# Altium PCB Copy of [PCB]_MotherBoard.PcbDoc (continued)
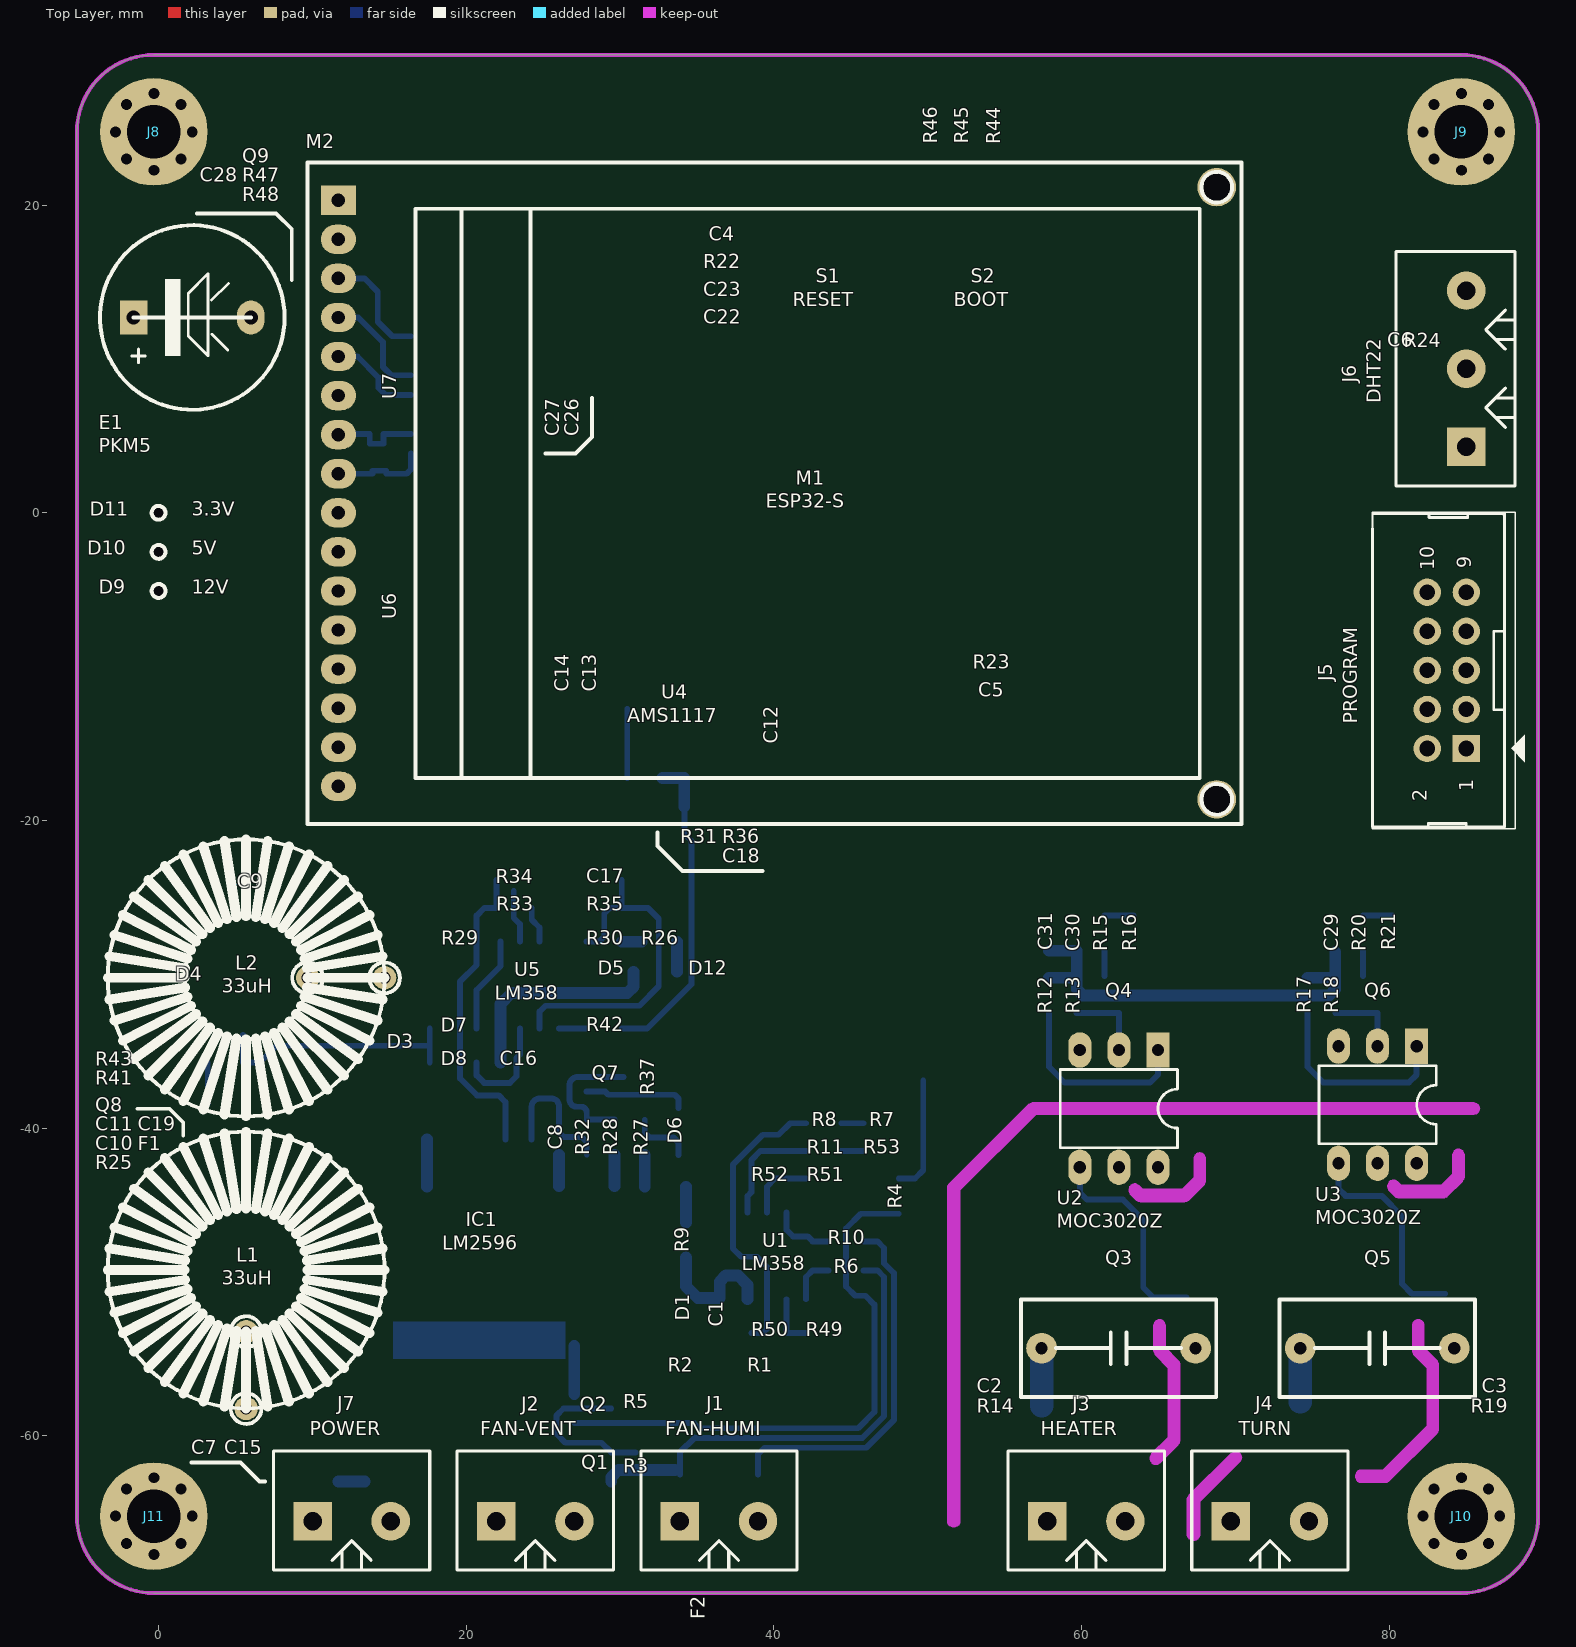
[diagram p0: Top Layer view]
## Footprints (in the part's own frame and the unit in brackets; to place one, negate y for a bottom-side part, rotate by r counter-clockwise, add the part's x,y. Pads: shape width x height; smd on the part's side, far side on the other; paste and mask are expansions set on the pad) (continued)
LCD_176X220_MODULE [mm]
  rect 1.905x2.286 hole 0.864: 1(-0.55,-5)
  round 2.5 hole 2: 2(-1.4,52.1) 2(38.4,52.1)
  oval 1.905x2.286 hole 0.864: 2(1.99,-5) 3(4.53,-5) 4(7.07,-5) 5(9.61,-5) 6(12.15,-5) 7(14.69,-5) 8(17.23,-5) 9(19.77,-5) 10(22.31,-5) 11(24.85,-5) 12(27.39,-5) 13(29.93,-5) 14(32.47,-5) 15(35.01,-5) 16(37.55,-5)
  silkscreen extent -3,-7 40,53.7
LED0603-IPC [mm]
  rect 1.1x1 smd: A(0.85,0) K(-0.85,0)
  silkscreen extent -1.68,-0.7 0.25,0.7, body extent -0.8,-0.4 0.8,0.4, height 1.1
MY_PAD_3MM [mil]
  round 50 hole 28: 0(-98.43,0) 0(-69.6,-69.6) 0(-69.6,69.6) 0(0,-98.43) 0(0,98.43) 0(69.6,-69.6) 0(69.6,69.6) 0(98.43,0)
  round 275.59 hole 137.8: 0(0,0)
RES-SMD-0805 [mil]
  rect 39.37x55 smd mask+1.97: 1(-45,0) 2(45,0)
  silkscreen extent -67,-30 67,30, body extent -45,-27 45,27, height 30
RES-SMD-2512 [mm] "Chip Capacitor, Body 3.2x2.5mm, IPC Medium Density"
  rect 1.8x3.3 smd: 1(-3.2,0) 2(3.2,0)
  silkscreen extent -4.28,-1.83 4.28,1.83, body extent -3.2,-1.6 3.2,1.6, height 0.6
SOIC-8S [mm] "SOIC, 8-Leads, Body 4.9x3.9mm, Pitch 1.27mm, IPC High Density"
  oval 1.8x0.6 smd: 1(-2.825,1.905) 2(-2.825,0.635) 3(-2.825,-0.635) 4(-2.825,-1.905) 5(2.825,-1.905) 6(2.825,-0.635) 7(2.825,0.635) 8(2.825,1.905)
  silkscreen extent -2.95,-2.55 1.68,2.98, body extent -2.99,-2.45 3,2.45, height 1.6
SOIC-16S [mm] "SOIC, 16-Leads, Body 9.90x3.91mm, Pitch 1.27mm, IPC Medium Density"
  oval 2x0.55 smd: 1(-2.7,4.445) 2(-2.7,3.175) 3(-2.7,1.905) 4(-2.7,0.635) 5(-2.7,-0.635) 6(-2.7,-1.905) 7(-2.7,-3.175) 8(-2.7,-4.445) 9(2.7,-4.445) 10(2.7,-3.175) 11(2.7,-1.905) 12(2.7,-0.635) 13(2.7,0.635) 14(2.7,1.905) 15(2.7,3.175) 16(2.7,4.445)
  silkscreen extent -2.82,-4.95 1.55,5.39, body extent -3,-4.95 3,4.95, height 1.4
SOT23(123) [mm]
  rect 0.9x0.95 smd: 1(-0.95,-1.2) 2(0,1.2) 3(0.95,-1.2)
  silkscreen extent -1.3,-0.38 1.3,1.25, body extent -1.52,-1.23 1.48,1.27, height 1.06
SOT223(1234) [mm]
  rect 1x2.4 smd: 1(-2.3,-3) 2(0,-3) 3(2.3,-3)
  rect 3.3x2.4 smd: 4(0,3)
  silkscreen extent -3.47,-3.03 3.35,1.4, body extent -3.25,-3.56 3.25,3.4, height 1.68
TL3342F260QG [mm] "SWITCH TACTILE SPST-NO 0.05A 12V"
  rect 1.7x1 smd: 1(-3.15,-1.9) 1(3.15,-1.9) 2(-3.15,1.9) 2(3.15,1.9)
  body extent -3.3,-2.5 3.3,2.5, height 1.52
TO252AA [mm]
  rrect50% 1.6x3 smd: 1(-2.286,-4.064) 3(2.286,-4.064)
  rrect50% 5.8x6.2 smd: 2(0,3.175)
  silkscreen extent -3.3,-4.45 3.3,5.08, body extent -3.3,-4.82 3.28,5.32, height 2.3
TO263 [mm]
  rect 0.9x3.58 smd: 1(-3.4,-8.42) 2(-1.7,-8.42) 3(0,-8.42) 4(1.7,-8.42) 5(3.4,-8.42)
  rect 8.5x7 smd: 3(0,0)
  Top Layer region: -5.6,5.842 5.6,5.842 5.6,3.454 -5.6,3.454
  silkscreen extent -5.8,-10.44 5.8,6.07, body extent -5.08,-9.42 5.08,5.22, height 4.57

## Part data
C1 C4 C5 C6 C7 C8 C13 C14 C15 C16 C17 C18 C19 C22 C23 C26 C27 C28 C29 C30 C31: library part Cap-Non-SMD, "Non-polar capacitor"
C2 C3: library part Cap-Non-DIP, "Non-polar capacitor", Price=0.005
C9 C10 C11 C12: library part Cap-Pol-SMD, "Non-polar capacitor"
D1 D5 D6: library part ZENER, "DIODE-ZNR 5.1V 5% PD=1W IR=10uA", Manufacturer="Littlefuse Inc.", Part Number=SMF22A, Supplier Part Number 1=F5822CT-ND, Manufacturer’s ordering code=SMF22A, Supplier 1=Digi-Key, Supplier 2=Mouser, Supplier 3=LCSC, Supplier Part Number 2=576-SMF22A, Supplier Part Number 3=C169431
D3 D7 D8 D12: "1.0A RECTIFIER", ComponentLink1Description=Datasheet, ComponentLink1URL="E:\NEW_DATA\ELECTRONIC_DOCUMENT\DATASHEET\1N4001 (2).pdf", Price=0.006
D4: "DIODE SCHOTTKY 10V 3A SOD323-2", Supplier Part Number 1=BAT60BE6327HTSA1CT-ND, Price=0.008, Supplier 1=Digi-Key
D9: library part "LED 0603 Red", "LED RED CLEAR 0603 SMD", Supplier Part Number 1=732-4979-1-ND, Supplier 1=Digi-Key
D10: library part "LED 0603 Yellow", "LED YELLOW CLEAR 0603 SMD", Supplier Part Number 1=732-4981-1-ND, Supplier 1=Digi-Key
D11: library part "LED 0603 Green", "LED GREEN CLEAR 0603 SMD", Supplier Part Number 1=732-4971-1-ND, Supplier 1=Digi-Key
E1: library part BUZZER, "ALARM-AUDIBLE PIEZO ALARM PIN TYPE; 5V"
F1 F2: library part "Fuse SMD"
IC1: "Power IC", Max Input Voltage="12 V", Max Output Current="3 (6.0 peak) A", Max Output Voltage=mV, Temperature Range="-40 to +125 degC", Category=IC-Power, Min Input Voltage=mV, Min Output Voltage=mV, Mounting Technology="Surface Mount", Status=Unreleased, Supply Voltage=mV
J1 J2 J3 J4: library part JP2
J5: library part IDE_5X2, "Male Box Header WR-BHD, THT, Vertical, pitch 2.54 mm, 10 pins"
J6: library part JP3
J7: library part JP2_IN
J8 J9 J10 J11: library part JP1_IN, "3MM PAD"
L1 L2: library part INDUCTOR_FE, "2.2µH Shielded Wirewound Inductor 8.2A 10mOhm Max Nonstandard, 4 Lead", Supplier Part Number 1=811-3603-1-ND, Supplier 1=Digi-Key, Supplier 2=Mouser, Supplier Part Number 2=580-482R2SC
M1: "Tensilica Xtensa LX6 microprocessor @ 160 or 240 MHz · 320 KiB SRAM", Max CPU Freq="240 MHz", Nominal Supply Current="500 mA", Supply Voltage="2.7 ~ 3.6 V", Temperature Range="-40 to +85 degC", Bandwidth="72 MHz", ComponentLink1Description=PCB, ComponentLink1URL=https://evertdekker.com/wp/?p=854, CPU Name=ESP32-D0WDQ6, Data Rate="150 Mbps", Height="3.2 mm", Interface="Ethernet, I2C, I2S, SPI, UART", Number of ADC Channels=16, Number of cores=2, Number of GPIO=32
M2: library part LCD_176x220, ComponentLink1Description=Wiki, ComponentLink1URL=http://www.lcdwiki.com/2.8inch_SPI_Module_ILI9341_SKU:MSP2807
Q1: library part IRFR3910TRLPBF, "N-Channel 16A (Tc) 79W (Tc) Surface Mount D-Pak", Supplier Part Number 1=IRFR3910TRLPBFCT-ND, Price=0.15, Supplier 1=Digi-Key, Supplier 2=Mouser, Supplier 3=LCSC, Supplier Part Number 2=942-IRFR3910TRLPBF, Supplier Part Number 3=C148158
Q2: "Transistor, NPN, RF, 50mA, 12V", Supplier Part Number 1=568-11514-1-ND, Supplier 1=Digi-Key
Q3 Q5 Q8: library part SCR, "THYRISTOR-TRIAC TO-220AB VRRM=600"
Q4 Q6 Q7 Q9: library part NPN, "Transistor, NPN, RF, 50mA, 12V", Supplier Part Number 1=568-11514-1-ND, Supplier 1=Digi-Key
R1 R2 R3 R4 R5 R6 R7 R8 R9 R10 R11 R12 R13 R15 R16 R17 R18 R20 R21 R22 R23 R24 R25 R26 R27 R28 R29 R30 R31 R32 R33 R34 R35 R36 R37 R38 R39 R40 R41 R42 R43 R44 R45 R46 R47 R48 R49 R50 R51 R52 R53: library part RES, "Chip Resistor, 0805, 1%, 1/8 W", Supplier Part Number 1=311-1.00KLRCT-ND, PackageDescription="Chip Resistor", PackageReference=J1-0805, Price=0.005
R14 R19: "Chip Resistor, 0805, 1%, 1/8 W", Supplier Part Number 1=311-1.00KLRCT-ND, PackageDescription="Chip Resistor", PackageReference=J1-0805, Price=0.005
S1 S2: library part "SWITCH TACTILE SPST", "SWITCH TACTILE SPST-NO 0.05A 12V", Manufacturer Part Number=TL3342F260QG, Supplier Part Number 1=EG5470CT-ND, Price=0.25, Supplier 1=Digi-Key
U1 U5: "7mV 250nA 7uV/C 1MHz 0.6V/uS 0.8mA 3-32V", Price=0.24
U2 U3: "OPTO-ISOLATOR LED-PTRIAC IF=50mA-max"
U4: "1A Bipolar Linear Regulator", ComponentLink1Description=Datasheet, ComponentLink1URL=E:\NEW_DATA\ELECTRONIC_DOCUMENT\DATASHEET\AMS1117-1-2_C475600.pdf
U6 U7: "CD74HC595 8-Bit Shift Registers With 3-State Output Registers"

## Nets (pads, with @x,y where several pads share a name; then routed paths per layer and width w, separated by ;. In a path a pad name is that pad's centre, name@x,y a point inside that pad or via, vN(x,y) a via of type N, cw(c..) or ccw(c..) an arc to the next point about the centre after c; other vN are vias at no path point)
+3.3V: C13.2 C14.2 C22.2 C23.2 C26.2 C27.2 J5.2 J6.1 M1.2 M2.2 R22.2 R23.2 R24.2 R31.2 R40.2 U4.2 U4.4 U6.10 U6.16 U7.10 U7.16 | length 4.5
  Bottom Layer w0.381: R31.2 U4.4
+5V: C28.2 C29.2 C30.2 C31.2 E1.A R12.2 R13.1 R17.2 R18.1 | length 27.5
  Bottom Layer w0.762: R12.2 R13.1 ; C31.2 C30.2 R13.1 ; R17.2 R18.1 ; C29.2@76.499,-28.556 R18.1 ; R13.1 59.683,-30.982 60.079,-31.377 76.103,-31.377 76.499,-30.982 R18.1
+5V_USB: C9.1 C12.1 L2.2 R29.2 R39.2 U4.3
+6V: C16.2 D5.2 R26.1 R30.2 U5.8 | length 15.2
  Bottom Layer w0.762: C16.2 U5.8 22.223,-31.936 22.943,-31.216 30.461,-31.216 30.878,-30.799 D5.2 ; R30.2 R26.1
+12V: C8.2 C19.2 D3.2 D12.1 D12.2 F1.2 IC1.1 J1.1 J2.1 Q8.2 R3.2 R9.2 R26.2 R27.2 R28.2 R38.2 | length 13.5
  Bottom Layer w0.762: 17.453,-43.811 IC1.1 ; 26.033,-43.789 C8.2 ; 29.633,-43.789 R28.2 ; 31.608,-43.807 R27.2 ; D12.2 R26.2 ; R9.2 34.282,-43.807
BUZZER: M1.26 R47.1 R48.1
DTH22: C6.2 J6.2 R24.1
ESP32_EN: C4.2 J5.1 M1.3 R22.1 S1.2
ESP32_IO0: C5.2 J5.6 M1.25 R23.1 S2.2
ESP32_RX0: J5.5 M1.34
ESP32_TX0: J5.3 M1.35
FANH: M1.16 R4.2 | length 7.7
  Bottom Layer w0.381: R4.2 49.182,-43.28 49.715,-42.747 49.715,-36.905
FANH-: J2.2 Q1.2
FANH_FAIL: M1.4 R7.1 R8.2 | length 1.5
  Bottom Layer w0.381: R8.2 R7.1
FANV-: J1.2 R1.2 R10.1 | length 24
  Bottom Layer w0.381: R1.2 38.97,-61.205 39.394,-60.781 46.006,-60.781 47.801,-58.986 47.801,-49.418 47.166,-48.783 47.166,-47.798 46.732,-47.363 R10.1
FANV_FAIL: M1.5 R11.2 R53.1 | length 1.5
  Bottom Layer w0.381: R11.2 R53.1
GND: C1.1 C4.1 C5.1 C6.1 C9.2 C10.2 C11.2 C12.2 C13.1 C14.1 C15.1 C16.1 C17.1 C18.1 C19.1 C22.1 C23.1 C26.1 C27.1 C28.1 C29.1 C30.1 C31.1 D1.1 D4.1 D5.1 D9.K D10.K D11.K F2.1 F2.2 IC1.3 J5.4 J6.3 J7.2 J8.0 J9.0 J10.0 J11.0 M1.1 M1.15 M1.38 M2.1 Q2.3 Q4.3 Q6.3 Q7.3 Q8.1 Q9.3 R1.1 R2.1 R5.2 R7.2 R16.2 R21.2 R25.1 R34.1 R35.1 R36.1 R37.1 R43.1 R44.2 R45.2 R46.2 R48.2 R49.1 R51.1 R53.2 S1.1 S2.1 U1.4 U4.1 U5.4 U6.8 U7.8 | length 3.1
  Bottom Layer w0.762: Q2.3 27.031,-54.171
HEATER: M1.24 R15.1 R16.1 | length 1.9
  Bottom Layer w0.381: R15.1 R16.1
KEY_DRV_0: M1.13
KEY_DRV_1: M1.23
KEY_SEN_0: M1.10 R44.1
KEY_SEN_1: M1.11 R45.1
KEY_SEN_2: M1.12 R46.1
LCD_CS: M2.3 U7.7 | length 7.4
  Bottom Layer w0.381: M2.3 13.386,15.24 14.249,14.376 14.249,12.421 15.19,11.48 U7.7
LCD_DB0: M2.9 U6.15
LCD_DB1: M2.10 U6.1
LCD_DB2: M2.11 U6.2
LCD_DB3: M2.12 U6.3
LCD_DB4: M2.13 U6.4
LCD_DB5: M2.14 U6.5
LCD_DB6: M2.15 U6.6
LCD_DB7: M2.16 U6.7
LCD_LED: M2.8 U7.1 | length 6.3
  Bottom Layer w0.381: M2.8 12.135,2.54 13.024,2.54 13.913,2.54 13.913,2.73 14.802,2.73 14.802,2.54 15.215,2.54 16.129,2.54 16.4,2.811 U7.1
LCD_OE: M1.33 U6.13 U7.13
LCD_RCLK: M1.37 U6.12 U7.12
LCD_RD: M2.6 U7.3
LCD_RS: M2.4 U7.5 | length 7.2
  Bottom Layer w0.381: M2.4 12.979,12.7 14.58,11.1 14.58,9.5 15.139,8.94 U7.5
LCD_RST: M2.7 U7.2 | length 6
  Bottom Layer w0.381: M2.7 11.74,5.13 12.395,5.13 12.84,5.13 13.729,5.13 13.729,4.486 14.618,4.486 14.618,5.13 16.154,5.13 U7.2
LCD_SER: M1.31 U6.14
LCD_SRCLK: M1.36 U6.11 U7.11
LCD_WR: M2.5 U7.4 | length 6.1
  Bottom Layer w0.381: M2.5 12.929,10.16 14.3,8.788 14.3,8.128 14.758,7.67 U7.4
NetC2_1: C2.1 J3.2 Q3.1
NetC2_2: C2.2 R14.1 | length 3.8
  Bottom Layer w1.524: R14.1 C2.2
NetC3_1: C3.1 J4.2 Q5.1
NetC3_2: C3.2 R19.1 | length 3.8
  Bottom Layer w1.524: R19.1@74.221,-57.807 C3.2@74.221,-54.057
NetC7_1: C7.1 C15.2 | length 1.7
  Bottom Layer w0.762: C7.1 C15.2
NetC7_2: C7.2 J7.1 L1.1
NetC8_1: C8.1 IC1.5 R32.1 | length 9.1
  Bottom Layer w0.381: IC1.5 24.253,-38.603 cw(c24.782,-38.603) 24.782,-38.074 25.532,-38.074 cw(c25.532,-38.575) 26.033,-38.575 C8.1 26.033,-40.275 26.341,-40.583 27.51,-40.583 27.833,-40.907 R32.1
NetC10_1: C10.1 C11.1 F1.1 L1.2 R25.2
NetC17_2: C17.2 R30.1 R35.2 U5.2 U5.6 | length 26
  Bottom Layer w0.381: 23.087,-24.586 23.087,-26.335 23.493,-26.74 U5.2 ; U5.6 24.763,-32.431 25.153,-32.041 31.262,-32.041 32.519,-30.785 32.519,-26.39 31.809,-25.68 R35.2 ; R30.1 28.641,-27.88 28.973,-27.548 28.973,-26.049 29.342,-25.68 R35.2 ; C17.2 R35.2
NetC18_2: C18.2 R31.1 R36.2 R42.1 | length 20.8
  Bottom Layer w0.381: R42.1 31.762,-33.53 34.643,-30.649 34.643,-21.34 34.181,-20.878 C18.2
  Bottom Layer w0.762: R31.1 R36.2 C18.2
NetD3_1: D3.1 D4.2 IC1.2 L2.1
NetD6_1: D6.1 Q7.1 R37.2 | length 6.8
  Bottom Layer w0.381: Q7.1 29.039,-37.63 29.243,-37.834 R37.2 33.549,-37.834 33.808,-38.093 D6.1
NetD6_2: D6.2 R27.1 | length 4.1
  Bottom Layer w0.381: R27.1 31.608,-40.293 31.916,-40.601 33.458,-40.601 33.808,-40.951 D6.2
NetD7_1: D7.1 U5.1 | length 6.3
  Bottom Layer w0.381: D7.1 20.677,-31.018 22.223,-29.472 U5.1
NetD7_2: D7.2 D8.2 R41.1 R43.2 | length 16.6
  Bottom Layer w0.381: R43.2 R41.1 6.58,-35.73 7.665,-34.645 17.629,-34.645 ; D8.2 17.629,-34.645 ; D7.2 17.629,-34.645
NetD8_1: D8.1 U5.7 | length 7
  Bottom Layer w0.381: D8.1 20.677,-36.57 21.165,-37.058 22.841,-37.058 23.273,-36.626 23.273,-35.432 23.493,-35.212 U5.7
NetD9_A: D9.A R38.1
NetD10_A: D10.A R39.1
NetD11_A: D11.A R40.1
NetE1_K: E1.K Q9.2
NetIC1_4: IC1.4 R29.1 R33.2 R34.2 | length 20.3
  Bottom Layer w0.381: R33.2@21.973,-25.679 21.184,-25.679 20.677,-26.186 R29.1 20.677,-29.392 19.607,-30.462 19.607,-36.77 20.708,-37.871 22.11,-37.871 22.553,-38.314 IC1.4 ; R33.2 R34.2
NetJ3_1: J3.1 Q3.2 R14.2 U2.6
NetJ4_1: J4.1 Q5.2 R19.2 U3.6
NetQ1_1: Q1.1 Q2.2 R3.1 | length 10.6
  Bottom Layer w0.381: Q2.2 26.324,-58.23 25.881,-58.673 25.881,-59.887 26.445,-60.451 28.802,-60.451 Q1.1 R3.1
NetQ1_3: Q1.3 R2.2 R6.1 | length 30.9
  Bottom Layer w0.381: R2.2 33.89,-61.08 34.848,-60.122 34.872,-60.146 45.743,-60.146 47.166,-58.723 47.166,-49.681 46.732,-49.247 R6.1
  Bottom Layer w0.762: Q1.3 29.431,-62.693 29.9,-62.223 R2.2@33.552,-62.223
NetQ2_1: Q2.1 R4.1 R5.1 | length 37
  Bottom Layer w0.381: Q2.1 R5.1 34.804,-59.18 35.135,-59.511 45.48,-59.511 46.531,-58.46 46.531,-51.477 45.955,-50.901 45.295,-50.901 44.692,-50.298 44.692,-46.528 45.654,-45.566 R4.1
NetQ3_3: Q3.3 U2.4 | length 14
  Bottom Layer w0.381: U2.4 59.893,-44.189 60.357,-44.652 62.7,-44.652 64.015,-45.967 64.015,-50.367 64.663,-51.016 Q3.3
NetQ4_1: Q4.1 R15.2 | length 1.7
  Bottom Layer w0.381: Q4.1 R15.2
NetQ4_2: Q4.2 R13.2 U2.2 | length 5.1
  Bottom Layer w0.381: R13.2 Q4.2 U2.2
NetQ5_3: Q5.3 U3.4 | length 14
  Bottom Layer w0.381: U3.4 76.709,-43.939 77.172,-44.402 79.515,-44.402 80.83,-45.717 80.83,-50.117 81.479,-50.766 Q5.3@83.644,-50.766
NetQ6_1: Q6.1 R20.2 | length 1.7
  Bottom Layer w0.381: Q6.1 R20.2
NetQ6_2: Q6.2 R18.2 U3.2 | length 4.9
  Bottom Layer w0.381: R18.2 Q6.2 U3.2
NetQ7_2: Q7.2 R28.1 R32.2 | length 8.6
  Bottom Layer w0.381: R28.1 R32.2 27.833,-38.977 ccw(c27.464,-38.977) 27.464,-38.607 27.176,-38.607 cw(c27.176,-38.145) 26.713,-38.145 26.713,-37.21 cw(c27.243,-37.21) 27.243,-36.68 Q7.2
NetQ8_3: Q8.3 R41.2 | length 2.7
  Bottom Layer w0.381: Q8.3 R41.2
NetQ9_1: Q9.1 R47.2
NetR6_2: R6.2 U1.5 | length 3.1
  Bottom Layer w0.381: U1.5 42.092,-49.676 42.521,-49.247 R6.2
NetR8_1: R8.1 R50.2 U1.7 | length 19.2
  Bottom Layer w0.381: R50.2 39.276,-53.33 39.552,-53.054 U1.7 39.552,-49.026 38.886,-48.361 37.875,-48.361 37.337,-47.822 37.337,-42.383 39.283,-40.436 40.308,-40.436 41.064,-39.68 R8.1
NetR10_2: R10.2 U1.3 | length 4.2
  Bottom Layer w0.381: U1.3 40.822,-46.613 41.248,-47.04 42.198,-47.04 42.521,-47.363 R10.2
NetR11_1: R11.1 R52.2 U1.1 | length 7.3
  Bottom Layer w0.381: U1.1 38.282,-44.424 38.536,-44.17 R52.2 38.536,-42.081 39.137,-41.48 R11.1
NetR12_1: R12.1 U2.1 | length 12.8
  Bottom Layer w0.381: R12.1 57.883,-36.014 58.901,-37.032 64.464,-37.032 64.973,-36.523 U2.1
NetR17_1: R17.1 U3.1 | length 12.8
  Bottom Layer w0.381: R17.1 74.699,-36.014 75.717,-37.032 81.279,-37.032 81.789,-36.523 U3.1@81.789,-34.92
NetR33_1: R33.1 U5.3 | length 2.4
  Bottom Layer w0.381: R33.1 24.26,-26.462 24.763,-26.965 U5.3
NetR42_2: R42.2 U5.5 | length 1.8
  Bottom Layer w0.381: U5.5 R42.2
NetR49_2: R49.2 R50.1 U1.6 | length 3.5
  Bottom Layer w0.381: U1.6 R50.1 R49.2
NetR51_2: R51.2 R52.1 U1.2 | length 4.4
  Bottom Layer w0.381: U1.2 39.552,-43.809 40.08,-43.28 R52.1 R51.2
NetU6_9: U6.9 U7.14
TURN: R20.1 R21.1 | length 1.9
  Bottom Layer w0.381: R20.1 R21.1
V2+: C1.2 D1.2 R9.1 U1.8 | length 8.6
  Bottom Layer w0.762: R9.1 D1.2 35.044,-51.044 C1.2 36.482,-49.98 36.882,-49.58 37.667,-49.58 38.282,-50.195 U1.8
pads on no net: J5.7 J5.8 J5.9 J5.10 M1.6 M1.7 M1.8 M1.9 M1.14 M1.17 M1.18 M1.19 M1.20 M1.21 M1.22 M1.27 M1.28 M1.29 M1.30 M1.32 M1.101 U2.3 U2.5 U3.3 U3.5 U7.6 U7.9 U7.15

## Polygon pours and split planes (outlines as drawn)
NetJ4_1 on Bottom Layer "NETJ4_1_L02_P110" (solid, pour order 110): 80.798,-42.65 82.796,-42.65 82.796,-41.27 80.716,-39.19 74.48,-39.19 72.975,-40.695 72.975,-50.956 74.016,-51.998 75.642,-51.998 78.994,-55.35 78.994,-59.542 78.309,-60.227 72.183,-60.227 68.002,-64.409 68.002,-66.849 68.488,-67.335 71.044,-67.335 71.45,-66.929 71.45,-63.475 73.021,-61.904 77.648,-61.904 79.528,-61.904 81.839,-59.592 81.839,-55.376 80.01,-53.547 80.011,-45.953 78.995,-44.937 75.718,-44.937 74.499,-43.717 74.499,-41.7 75.707,-40.492 80.29,-40.492 80.798,-41
NetC3_1 on Bottom Layer "Bottom Layer-NetC2_2" (solid, pour order 108): 82.643,-54.068 83.727,-55.152 83.727,-59.658 79.606,-63.779 73.914,-63.779 73.177,-64.516 73.177,-66.763 73.749,-67.335 76.784,-67.335 86.005,-58.115 86.005,-56.21 87.91,-54.305 87.91,-46.381 86.791,-45.262 81.975,-45.262 81.458,-45.779 81.458,-47.117 81.941,-47.6 85.37,-47.6 86.767,-48.997 86.767,-52.299 86.132,-52.934 82.948,-52.934 82.643,-53.238
NetC2_1 on Bottom Layer "Bottom Layer-NetC2_2" (solid, pour order 86): 65.828,-54.068 66.912,-55.152 66.912,-60.749 63.83,-63.83 61.773,-63.83 61.138,-64.465 61.138,-66.751 61.722,-67.335 64.186,-67.335 64.833,-66.689 64.833,-65.596 69.19,-61.239 69.19,-56.21 71.095,-54.305 71.095,-46.635 69.722,-45.262 65.16,-45.262 64.643,-45.779 64.643,-47.117 65.126,-47.6 68.555,-47.6 69.952,-48.997 69.952,-52.299 69.317,-52.934 66.133,-52.934 65.828,-53.238
no net on Bottom Layer "Bottom Layer-No Net 7" (solid, pour order 112): 80.569,-41.762
no net on Bottom Layer "Bottom Layer-No Net 12" (solid, pour order 106): 74.221,-57.807
no net on Bottom Layer "Bottom Layer-No Net 12" (solid, pour order 88): 57.406,-58.057
NetJ3_1 on Bottom Layer "NETJ3_1_L02_P082" (solid, pour order 82): 63.983,-42.9 65.98,-42.9 65.98,-41.52 63.9,-39.44 57.664,-39.44 56.159,-40.945 56.159,-51.206 57.201,-52.248 58.827,-52.248 62.179,-55.6 62.179,-59.792 61.493,-60.477 58.919,-60.477 55.982,-63.415 55.982,-66.929 56.388,-67.335 58.979,-67.335 59.538,-66.777 59.538,-63.449 60.833,-62.154 62.713,-62.154 65.024,-59.842 65.024,-55.626 63.195,-53.797 63.195,-46.203 62.179,-45.187 58.903,-45.187 57.683,-43.967 57.683,-41.95 58.892,-40.742 63.475,-40.742 63.983,-41.25
no net on Bottom Layer "Bottom Layer-No Net 7" (solid, pour order 80): 63.754,-42.012
+5V_USB on Bottom Layer "+5V_USB_L02_P078" (solid, pour order 78): 42.418,-13.792 43.104,-14.478 43.104,-17.792 42.266,-18.63 42.178,-18.542 38.43,-18.542 37.77,-17.882 37.77,-15.951 37.44,-15.621 32.639,-15.621 31.979,-16.281 31.979,-20.803 30.836,-21.946 12.649,-21.946 11.125,-23.47 11.125,-25.222 8.533,-22.63 10.361,-20.803 29.794,-20.803 31.242,-19.355 31.242,-16.104 33.553,-13.792
no net on Bottom Layer "Bottom Layer-No Net 8" (solid, pour order 76): 33.452,-14.097
no net on Bottom Layer "Bottom Layer-No Net 9" (solid, pour order 74): 34.112,-13.792
GND on Bottom Layer "GND_L02_P072" (solid, pour order 72): 25.298,-7.696 25.298,-9.677 25.933,-10.312 33.401,-10.312 34.442,-11.354 37.526,-11.354 38.44,-12.268 42.596,-12.268 42.596,-9.5 36.17,-9.5 35.306,-8.636 30.226,-8.636 29.286,-7.696
no net on Bottom Layer "Bottom Layer-No Net 10" (solid, pour order 70): 25.298,-8.128
no net on Bottom Layer "Bottom Layer-No Net 11" (solid, pour order 68): 25.248,-8.484
+3.3V on Bottom Layer "+3.3V_L02_P066" (solid, pour order 66): 32.055,-10.693 33.172,-11.811 36.881,-11.811 36.881,-13.614 33.325,-13.614 32.156,-14.783 25.984,-14.783 23.622,-12.421 23.622,0.584 25.629,2.591 32.334,2.591 37.135,7.391 37.135,15.113 38.329,15.113 38.329,6.375 32.842,0.889 26.086,0.889 25.044,-0.152 25.044,-9.982 25.756,-10.693
GND on Bottom Layer "GND_L02_P058" (solid, pour order 58): 23.908,-36.474 25.709,-36.474 25.963,-36.22 29.04,-36.22 29.395,-35.864 34.398,-35.864 35.592,-34.67 35.592,-31.292 36.049,-30.835 36.049,-22.148 37.548,-20.649 37.548,-16.103 35.338,-16.103 35.338,-22.377 35.338,-30.657 34.678,-31.317 34.678,-33.934 33.865,-34.746 23.908,-34.746
NetD3_1 on Bottom Layer "NETD3_1_L02_P056" (solid, pour order 56): 18.346,-41.173 19.971,-41.173 19.971,-38.099 19.133,-37.261 19.133,-30.378 17.512,-28.757 14.902,-28.757 14.902,-30.427 16.051,-30.427 16.685,-29.793 17.482,-29.793 18.346,-30.657
no net on Bottom Layer "Bottom Layer-No Net 2" (solid, pour order 54): 18.625,-39.28
GND on Bottom Layer "GND_L02_P052" (solid, pour order 52): 47.048,-41.985 46.438,-42.595 43.796,-42.595 43.111,-43.281 43.111,-44.017 42.755,-44.373 41.841,-44.373 41.492,-44.722 41.492,-46.031 41.815,-46.354 43.612,-46.361 44.025,-45.948 44.025,-45.491 44.736,-44.779 49.156,-44.779 49.918,-45.541 49.918,-67.69 49.003,-68.605 47.269,-68.605 45.802,-67.138 42.425,-67.138 42.425,-69.842 49.468,-69.842 50.781,-68.528 50.781,-45.262 49.563,-44.044 47.15,-44.044 46.794,-43.687 46.794,-42.9 47.276,-42.417 48.876,-42.417 49.156,-42.138 49.156,-38.887 48.872,-38.603 47.28,-38.603 47.048,-38.836
no net on Bottom Layer "Bottom Layer-No Net 3" (solid, pour order 48): 31.046,-65.67
+12V on Bottom Layer "+12V_L02_P046" (solid, pour order 46): 32.163,-64.337 32.695,-63.806 35.162,-63.806 35.667,-64.311 35.667,-67.437 34.779,-68.325 20.886,-68.325 19.92,-67.36 19.92,-60.757 18.649,-59.486 13.508,-59.486 11.69,-57.668 11.69,-49.98 14.146,-49.98 14.146,-56.405 15.41,-57.668 21.459,-57.668 23.959,-60.168 23.959,-66.852 24.837,-67.73 31.521,-67.73 32.163,-67.088
no net on Bottom Layer "Bottom Layer-No Net 4" (solid, pour order 44): 32.239,-63.855
GND on Bottom Layer "GND_L02_P042" (solid, pour order 42): 41.962,-61.289 46.15,-61.289 46.15,-63.983 45.808,-64.325 45.808,-68.016 43.982,-69.842 15.221,-69.842 15.221,-68.605 40.85,-68.605 42.317,-67.138 42.317,-64.44 41.962,-64.086
GND on Bottom Layer "GND_L02_P036" (solid, pour order 36): 14.426,-45.643 14.426,-54.165 15.251,-54.99 28.929,-54.99 31.342,-57.403 40.901,-57.403 41.841,-58.343 45.854,-58.343 45.854,-52.984 45.168,-52.298 43.796,-52.298 43.365,-52.73 43.365,-54.101 42.781,-54.685 38.183,-54.685 37.726,-54.228 37.726,-52.628 37.472,-52.374 33.984,-52.374 27.253,-45.643
no net on Bottom Layer "Bottom Layer-No Net 5" (solid, pour order 34): 14.643,-45.338
no net on Bottom Layer "Bottom Layer-No Net 6" (solid, pour order 32): 14.604,-45.617
no net on Bottom Layer "Bottom Layer-No Net" (solid, pour order 30): 35.279,-61.289
no net on Bottom Layer "Bottom Layer-No Net 1" (solid, pour order 28): 28.904,-61.95
NetD3_1 on Bottom Layer "NETD3_1_L02_P026" (solid, pour order 26): 2.996,-29.031 2.996,-31.419 5.815,-31.419 8.457,-34.06 16.356,-34.06 16.686,-33.73 16.686,-32.13 16.051,-31.495 16.051,-29.359 15.444,-28.752 13.842,-28.752 13.283,-29.311 13.283,-31.452 11.92,-32.816 9.016,-32.816 6.857,-30.657 6.857,-29.768 6.12,-29.031
+5V_USB on Bottom Layer "+5V_USB_L02_P024" (solid, pour order 24): 3.478,-23.85 3.478,-27.329 4.342,-28.193 6.78,-28.193 8.279,-29.692 8.279,-31.165 9.168,-32.054 9.219,-32.003 11.073,-32.003 11.073,-31.978 12.013,-31.038 12.013,-26.11 8.533,-22.63 4.698,-22.63
FANV- on Bottom Layer "FANV-_L02_P022" (solid, pour order 22): 36.882,-61.289 41.07,-61.289 41.07,-63.983 40.716,-64.337 40.716,-66.776 40.049,-67.443 37.93,-67.443 37.237,-66.75 37.237,-64.44 36.882,-64.086
FANH- on Bottom Layer "FANH-_L02_P020" (solid, pour order 20): 26.338,-61.213 27.754,-61.213 27.964,-61.423 27.964,-63.804 28.777,-64.617 28.777,-66.776 28.109,-67.443 25.99,-67.443 25.297,-66.75 25.297,-64.59 26.098,-63.789 26.098,-61.454
+12V on Bottom Layer "+12V_L02_P018" (solid, pour order 18): 6.882,-37.362 6.882,-43.255 7.898,-44.271 10.997,-44.271 11.69,-44.964 11.69,-52.094 14.146,-52.094 14.146,-46.125 13.842,-45.821 13.842,-45.262 14.139,-44.964 32.112,-44.964 35.5,-44.964 36.71,-43.755 36.71,-42.214 36.71,-31.648 37.192,-31.165 37.192,-29.951 36.303,-29.951 36.303,-30.98 35.889,-31.394 35.889,-42.082 35.047,-42.925 15.721,-42.925 14.477,-41.68 14.477,-37.515 14.959,-37.032 16.483,-37.032 16.712,-36.804 16.712,-35.457 16.483,-35.229 9.016,-35.229
GND on Bottom Layer "GND_L02_P014" (solid, pour order 14): 1.027,-45.033 1.002,-45.059 1.002,-59.46 5.777,-64.236 5.777,-67.614 6.514,-68.35 12.47,-68.35 13.435,-67.385 13.435,-64.667 13.867,-64.236 14.578,-63.524 14.578,-62.039 15.429,-61.188 16.674,-61.188 17.309,-61.823 17.309,-68.833 15.836,-70.306 -1.182,-70.306 -3.359,-69.298 -4.713,-67.746 -5.348,-65.582 -5.348,-22.63 0.697,-22.63 1.916,-23.85 1.916,-33.197 1.002,-34.111 1.002,-41.058 2.208,-42.265 4.367,-42.265 4.367,-43.789 2.247,-43.789 1.586,-44.449
NetC10_1 on Bottom Layer "NETC10_1_L02_P004" (solid, pour order 4): 1.472,-53.415 1.472,-52.357 1.912,-51.917 3.199,-51.917 4.24,-50.875 4.24,-44.838 4.985,-44.093 6.882,-44.093 7.466,-44.678 7.466,-46.252 9.346,-48.132 9.346,-52.933 7.593,-54.685 2.107,-54.685 1.472,-54.05
NetC7_2 on Bottom Layer "NETC7_2_L02_P008" (solid, pour order 8): 4.088,-59.428 7.39,-62.73 7.39,-66.83 8.29,-67.73 11.94,-67.73 12.69,-66.98 12.69,-64.73 11.94,-63.98 10.94,-63.98 10.39,-63.43 10.39,-61.63 7.263,-58.503 7.263,-57.403 6.628,-56.768 4.854,-56.768 4.088,-57.534

## Keep-outs
Keep-Out Layer:
  lines w0.254: -5.31,-65.23 ccw(c-0.31,-65.23) -0.31,-70.23 84.69,-70.23 ccw(c84.69,-65.23) 89.69,-65.23 89.69,24.77 ccw(c84.69,24.77) 84.69,29.77 -0.31,29.77 ccw(c-0.31,24.77) -5.31,24.77 -5.31,-65.23
  lines w0.8: 51.69,-65.557 51.69,-43.886 56.846,-38.73 85.475,-38.73 ; 63.462,-44.031 63.805,-44.374 66.724,-44.374 67.691,-43.407 67.691,-42.012 ; 64.833,-61.468 66.015,-60.286 66.015,-55.397 65.075,-54.458 65.075,-52.857 ; 67.285,-66.427 67.285,-64.135 70.002,-61.417 ; 78.181,-62.636 79.739,-62.636 82.83,-59.546 82.83,-55.397 81.89,-54.458 81.89,-52.857 ; 80.277,-43.781 80.62,-44.124 83.539,-44.124 84.506,-43.157 84.506,-41.762

## Silkscreen, mask and mechanical layers (free items; w line width, h text height)
Top Overlay:
  circle w0.254: c0,0 r0.45
  circle w0.254: c2.19,12.7 r6
  circle w0.254: c0,-5.08 r0.45
  circle w0.254: c0,-2.54 r0.45
  lines w0.254: -1.62,12.7 6,12.7 ; -1.369,-38.74 0.711,-38.74 1.604,-39.633 1.604,-40.48 ; 2.126,-61.73 5.316,-61.73 6.566,-62.98 6.926,-62.98 ; 2.506,19.47 7.631,19.47 8.656,18.445 8.656,15.145 ; 25.14,3.86 27.112,3.86 28.181,4.928 28.181,7.467 ; 32.431,-20.78 32.431,-21.653 34.058,-23.28 39.256,-23.28

## Text inside footprints (layer, text, board x,y; h text height)
J5: Top Overlay "10" at 83.213,-3.739 h1.52 r90; Top Overlay "9" at 85.626,-3.612 h1.52 r90; Top Overlay "2" at 82.731,-18.751 h1.52 r90; Top Overlay "1" at 85.767,-18.097 h1.52 r90